# Allegro board 038RT-9068CJK8E-A100_0921.brd (continued)
## Routing (per net, layer and track width the routed paths; a pad name or vN(x,y) marks a point on that pad's centre or on a via; arc(x,y) is an arc through that point) (continued)
  BOTTOM w0.14: UNK1K213.11 443.42,194.17 438.19,194.17 v1(438.06,194.04)
S1_P7_HSO-: length 42.2
  TOP w0.14: v1(438.06,194.7) arc(437.91,194.6) 437.73,194.56 437.18,194.56 arc(436.69,194.66) 436.28,194.93 435.45,195.76 434.67,196.55 arc(434.39,196.73) 434.06,196.8 433.07,196.8 arc(432.95,196.82) 432.85,196.89 432.83,196.91 arc(432.74,196.97) 432.62,196.99 432.51,196.99 arc(432.39,196.97) 432.29,196.91 432.27,196.89 arc(432.18,196.82) 432.06,196.8 431.95,196.8 arc(431.83,196.82) 431.73,196.89 431.71,196.91 arc(431.64,196.95) 431.56,196.97 431.33,196.97 arc(431.24,196.95) 431.17,196.91 431.15,196.89 arc(431.06,196.82) 430.94,196.8 430.83,196.8 arc(430.71,196.82) 430.61,196.89 430.59,196.91 arc(430.52,196.96) 430.42,196.98 430.23,196.98 arc(430.13,196.96) 430.05,196.91 430.03,196.89 arc(429.94,196.82) 429.82,196.8 429.71,196.8 arc(429.59,196.82) 429.49,196.89 429.48,196.91 arc(429.39,196.96) 429.3,196.98 429.11,196.98 arc(429.02,196.96) 428.93,196.91 428.92,196.89 arc(428.82,196.82) 428.7,196.8 428.59,196.8 arc(428.47,196.82) 428.38,196.89 428.36,196.91 arc(428.28,196.96) 428.2,196.97 427.97,196.97 arc(427.89,196.96) 427.82,196.91 427.8,196.89 arc(427.7,196.82) 427.58,196.8 427.47,196.8 arc(427.35,196.82) 427.26,196.89 427.24,196.91 arc(427.15,196.96) 427.05,196.98 426.88,196.98 arc(426.78,196.96) 426.7,196.91 426.68,196.89 arc(426.58,196.82) 426.46,196.8 425.46,196.8 arc(425.34,196.82) 425.24,196.89 424.42,197.71 arc(424.19,197.86) 423.92,197.92 404.62,197.92 arc(404.42,197.98) 404.3,198.16 404.3,198.55 arc(404.35,198.8) SITE1.W9
  BOTTOM w0.14: v1(438.06,194.7) 438.19,194.56 443.42,194.56 UNK1K213.12
S1_P7_ISOLATEB: length 161.1
  L46_SIGNAL w0.102: v1(400.5,201.42) 400.1,201.02 400.1,198.6
  L46_SIGNAL w0.145: UNK1K220.6 435.83,56.9 435.83,65.32 404.87,96.29 404.87,187.73 403.25,189.34 403.25,193.22 400.1,196.38 400.1,198.6
S1_P7_LANWAKEB: length 160.5
  L46_SIGNAL w0.102: 397.68,202.62 400.1,202.62 v1(400.5,202.22)
  L46_SIGNAL w0.145: 397.68,202.62 397.14,202.62 394.89,200.37 394.89,195.27 396.05,194.12 396.05,93.6 380.99,78.54 380.99,63.03 376.68,58.72 376.68,57.47 UNK1K212.6
S1_P7_PCIE_RESETB: length 183.5
  L46_SIGNAL w0.102: 400.9,198.6 400.9,201.02 v1(401.3,201.42)
  L46_SIGNAL w0.145: UNK1K221.6 432.28,54.25 432.28,52.9 433.32,51.86 440.45,51.86 441.36,52.78 441.36,68.78 436.15,73.99 428.3,73.99 405.77,96.51 405.77,188.35 404.05,190.07 404.05,193.55 400.9,196.71 400.9,198.6
S1_P7_REFCLK+: length 78.1
  L07_SIGNAL w0.1: v1(402.1,199.82) 401.7,199.42 401.7,198.7 401.91,198.48 401.91,198.02 404.08,195.85 406.35,195.85 407.98,194.22 407.98,189.65 410.32,187.32 412.33,187.32 414.08,185.57 417.38,185.57 419.38,183.57 449.05,183.57 453.09,187.6 455.13,187.6 455.21,187.52 457.19,187.52 461.36,191.69 462.15,191.69 v1(462.29,191.54)
  BOTTOM w0.105: UNK1K214.6 465.63,191.67 462.43,191.67 v1(462.29,191.54)
S1_P7_REFCLK-: length 78.1
  L07_SIGNAL w0.1: v1(462.29,192.2) 462.15,192.05 461.2,192.05 459.3,190.14 459.03,190.14 458.88,190 458.88,189.72 458.73,189.58 458.46,189.58 458.31,189.43 458.31,189.16 458.17,189.01 457.89,189.01 457.75,188.86 457.75,188.59 457.6,188.44 457.33,188.44 457.18,188.3 457.18,188.02 457.04,187.89 455.37,187.89 455.28,187.97 452.94,187.97 448.9,183.93 419.53,183.93 417.53,185.93 414.23,185.93 412.48,187.68 410.47,187.68 408.35,189.81 408.35,194.37 406.5,196.21 404.23,196.21 402.28,198.17 402.28,198.47 402.5,198.69 402.5,199.42 v1(402.9,199.82)
  BOTTOM w0.105: v1(462.29,192.2) 462.35,192.14 465.63,192.14 465.66,192.11 465.68,192.11 UNK1K214.7
S1_PGATE:
  vias: v1(401.3,207.82)
S1_R_P0_RXC: length 5
  BOTTOM w0.115: UNK1RR410.2 523.67,224.7 520.49,224.7 UNK1K233.3
S1_R_P0_RXD0: length 5.1
  BOTTOM w0.115: UNK1K182.6 520.55,217.48 523.61,217.48 UNK1RR413.2
S1_R_P0_RXD1: length 5.1
  BOTTOM w0.115: UNK1K231.6 504.79,223.69 507.85,223.69 UNK1RR407.2
S1_R_P0_RXD2: length 5.1
  BOTTOM w0.115: UNK1RR411.2 523.61,223.69 520.55,223.69 UNK1K233.6
S1_R_P0_RXD3: length 5
  BOTTOM w0.115: UNK1K232.3 520.49,230.9 523.67,230.9 UNK1RR408.2
S1_R_P0_RXDV: length 5.1
  BOTTOM w0.115: UNK1K232.6 520.55,229.9 523.61,229.9 UNK1RR409.2
S1_R_P0_RXER: length 5.1
  BOTTOM w0.115: UNK1K183.6 504.79,217.48 507.85,217.48 UNK1RR406.2
S1_R_P0_TXC: length 5.1
  BOTTOM w0.115: UNK1K181.6 504.79,229.9 507.85,229.9 UNK1RR404.2
S1_R_P0_TXD0: length 5.1
  BOTTOM w0.115: UNK1RR400.2 492.09,229.9 489.03,229.9 UNK1K180.6
S1_R_P0_TXD1: length 5
  BOTTOM w0.115: UNK1RR401.2 507.91,230.9 504.73,230.9 UNK1K181.3
S1_R_P0_TXD2: length 5
  BOTTOM w0.115: UNK1K182.3 520.49,218.49 523.67,218.49 UNK1RR402.2
S1_R_P0_TXD3: length 5
  BOTTOM w0.115: UNK1K183.3 504.73,218.49 507.91,218.49 UNK1RR403.2
S1_R_P0_TXEN: length 5
  BOTTOM w0.115: UNK1RR405.2 492.15,230.9 488.97,230.9 UNK1K180.3
S1_RESETB: length 55.2
  L07_SIGNAL w0.105: v1(345.31,203) 349.02,199.28 395.96,199.28 v1(398.1,201.42)
S1_RTT: length 31
  L03_SIGNAL w0.102: 406.5,213.06 406.5,211.42 v1(406.1,211.02)
  L03_SIGNAL w0.145: 406.5,213.06 407.41,213.98 425.12,213.98 427.36,216.21 432.01,216.21 v2(432.66,216.86)
  BOTTOM w0.115: UNK1R434.1 v2(432.66,216.86)
S1_SEL1_K145: length 9.1
  BOTTOM w0.203: UNK1RU12.1 667.38,225.05 667.38,228.83 667.22,228.99 UNK1RU11.2 UNK1RL15.1 665.36,228.99 664.2,227.83 UNK1K145.8
S1_SEL2_K145: length 3.2
  BOTTOM w0.203: UNK1RU12.2 666.66,223.33 UNK1K145.17
S1_SEL2_K217: length 3.2
  BOTTOM w0.115: UNK1K217.17 551.03,211.82 550.08,212.76 UNK1RL38.1
S1_SPI_CSB: length 25.7
  L03_SIGNAL w0.102: 412.92,205.02 410.5,205.02 v1(410.1,205.42)
  L03_SIGNAL w0.145: v1(435.24,203.99) 434.2,205.02 412.92,205.02
S1_SPI_SCK: length 26.9
  L03_SIGNAL w0.102: 412.92,202.62 410.5,202.62 v1(410.1,203.02)
  L03_SIGNAL w0.145: 412.92,202.62 413.01,202.71 414.78,202.71 417.1,200.39 433.75,200.39 v1(435.24,198.91)
S1_SPI_SI: length 20.2
  L03_SIGNAL w0.102: 412.92,201.82 410.5,201.82 v1(410.1,202.22)
  L03_SIGNAL w0.145: 412.92,201.82 412.99,201.75 414.62,201.75 416.58,199.78 426.07,199.78 426.39,199.46 428.33,199.46 v1(428.89,198.91)
S1_SPI_SO: length 19.1
  L03_SIGNAL w0.102: v1(410.1,204.62) 410.5,204.22 412.92,204.22
  L03_SIGNAL w0.145: 412.92,204.22 428.65,204.22 v1(428.89,203.99)
S1_SPI_VDDIO:
  vias: v1(394.65,187.71) v1(394.65,187.07) v1(409.3,202.22)
S1_SW_CTRL: length 567.5
  L21_SIGNAL w0.105: v2(664.42,119.56) 664.42,214.14 654.22,224.34 654.22,230.25 651.78,232.69 625,232.69 619.1,238.6 561.67,238.6 556.68,243.59 519.06,243.59 515.09,247.56 515.09,277.29 512.74,279.63 460.82,279.63 455.62,284.82 455.62,308.17 440.18,323.61 440.18,354.62 441.04,355.49 441.44,355.49 442.49,356.53 442.49,357.26 442.9,357.67 443.6,357.67 444.11,358.18 444.11,359.63 SLOT3-UP.C18
  L44_SIGNAL w0.105: v2(664.42,119.56) 663.76,118.9 662.75,118.9 662.06,118.21 662.06,113.39 661.63,112.95 659.52,112.95 659.18,112.61 v2(659.18,112.06) v2(659.18,100.51) 659.72,99.96 659.72,95.4 659.18,94.86 v2(659.18,93.01) 657.79,91.62 657.79,62.41 661.47,58.73 v2(661.47,45.27) v2(661.47,37.53) 663.28,35.73 663.28,17.4 662.16,16.28 S1_SW_CTRL.2
  BOTTOM w0.115: UNK1U6.25 v2(661.47,37.53) ; v2(659.18,93.01) 659.73,92.46 660.57,92.46 660.63,92.51 UNK1U18.10 ; UNK1U17.10 660.63,111.56 660.57,111.51 659.73,111.51 v2(659.18,112.06) ; UNK1U18.25 661.02,100.01 660.53,100.51 v2(659.18,100.51) ; v2(664.42,119.56) 663.87,119.01 663.02,119.01 662.97,119.06 UNK1U17.25 ; v2(661.47,45.27) 660.2,45.27 659.97,45.03 UNK1U6.10
S1_SWR1_EN: length 3.8
  TOP w0.305: UNK1CS5.1 UNK1R548.2 575.27,40.81 576.15,40.81 576.46,40.5 UNK1SWR1.7
S1_SWR1_FB: length 8.5
  TOP w0.305: UNK1RB8.1 UNK1RB7.2 UNK1CS2.2 ; UNK1RB8.1 574.67,37.03 573.91,36.26 SG1_SWR1_FB.1 ; UNK1RB8.1 575.32,37.6 UNK1SWR1.1
S1_SWR1_LX: length 1.7
  TOP w0.254: UNK1SWR1.6 576.96,41.78 UNK1LX1.1
S1_SWR1_PG: length 2.1
  TOP w0.305: UNK1SWR1.2 576.46,37.85 575.89,37.28 UNK1RS6.2
S1_SWR1_VIN: length 4.2
  TOP w0.305: UNK1RS9.2 578.17,35.06 576.96,36.26 UNK1SWR1.3
S1_TAPSL0: length 318.3
  L17_SIGNAL w0.102: v1(398.9,203.02) 398.5,203.42 397.68,203.42
  L17_SIGNAL w0.105: v2(565.51,53.13) 564.2,51.82 551.8,51.82 549.89,53.72 549.89,60.32 531.13,79.09 407.09,79.09 396.17,90.01 396.17,164.54 382.1,178.6 382.1,190.69 387.2,195.78 389.73,195.78 397.36,203.42 397.68,203.42
S1_TAPSL0_HIGH: length 2.7
  BOTTOM w0.115: UNK1R342.1 S1_TAPSL0.1
S1_TAPSL0_LOW: length 2.7
  BOTTOM w0.115: UNK1R343.1 S1_TAPSL0.3
S1_TAPSL1: length 303.3
  L17_SIGNAL w0.102: v1(398.9,202.22) 398.5,202.62 397.68,202.62
  L17_SIGNAL w0.105: 397.68,202.62 397.43,202.62 389.96,195.15 387.49,195.15 383.8,191.46 383.8,177.8 397.1,164.5 397.1,90.58 407.84,79.84 534.19,79.84 555.35,58.68 v2(555.35,53.13)
S1_TAPSL1_HIGH: length 2.7
  BOTTOM w0.115: UNK1R344.1 S1_TAPSL1.1
S1_TAPSL1_LOW: length 2.7
  BOTTOM w0.115: UNK1R345.1 S1_TAPSL1.3
S1_TCT: length 9.9
  TOP w0.115: UNK1C171.1 v2(636.62,139.15) ; UNK1T12.15 v2(633.45,139.15) ; UNK1T12.10 v2(639.8,139.15)
  L03_SIGNAL w0.145: v2(639.8,139.15) v2(636.62,139.15) v2(633.45,139.15)
S1_TDO: length 22.9
  L03_SIGNAL w0.102: v1(410.1,207.82) 410.5,207.42 412.92,207.42
  L03_SIGNAL w0.145: v1(432.06,209.07) 431.49,208.5 415.03,208.5 413.88,207.35 412.99,207.35 412.92,207.42
S1_U1_FE_MDI+: length 9.5
  TOP w0.105: 639.56,140.04 639.56,142.62 639.91,142.96 639.91,145.13 639.52,145.52 UNK1K56.4
  TOP w0.115: UNK1T12.11 638.53,139 639.56,140.04
S1_U1_FE_MDI-: length 9.5
  TOP w0.105: UNK1K56.5 640.76,145.52 640.38,145.13 640.38,142.77 640.03,142.42 640.03,140.04
  TOP w0.115: UNK1T12.9 641.07,139 640.03,140.04
S1_U1_FE_MDIX+: length 9.5
  TOP w0.105: UNK1K52.4 632.48,145.52 632.87,145.13 632.87,142.77 633.21,142.42 633.21,140.04
  TOP w0.115: UNK1T12.16 632.18,139 633.21,140.04
S1_U1_FE_MDIX-: length 9.5
  TOP w0.105: UNK1K52.5 633.72,145.52 633.33,145.13 633.33,142.96 633.68,142.62 633.68,140.04
  TOP w0.115: UNK1T12.14 634.72,139 633.68,140.04
S1_U1_P0_MDI+: length 13.3
  BOTTOM w0.105: UNK1T7.3 370.65,206.35 371.39,206.35 372,205.73 372,205.36 372.53,204.83 381.11,204.83 381.21,204.93 UNK1K60.4
S1_U1_P0_MDI-: length 13.3
  BOTTOM w0.105: UNK1T7.4 370.65,205.88 371.19,205.88 371.54,205.54 371.54,205.17 372.34,204.36 381.11,204.36 381.21,204.26 UNK1K60.5
S1_U1_P1_MDI+: length 14
  BOTTOM w0.105: UNK1K64.4 347.8,204.26 347.9,204.36 356.51,204.36 356.73,204.15 356.73,202.92 357.32,202.33 358.37,202.33 UNK1T8.3
S1_U1_P1_MDI-: length 14
  BOTTOM w0.105: UNK1K64.5 347.8,204.93 347.9,204.83 356.7,204.83 357.19,204.34 357.19,203.11 357.51,202.8 358.36,202.8 UNK1T8.4
S1_U1_P2_GIGA_MDI+: length 2.6
  BOTTOM w0.105: 407.43,222.05 407.43,223.39
  BOTTOM w0.115: 407.43,223.39 UNK1C385.1 ; UNK1T18.2 407.43,222.05
S1_U1_P2_GIGA_MDI-: length 2.6
  BOTTOM w0.105: 406.96,222.05 406.96,223.39
  BOTTOM w0.115: UNK1T18.1 406.96,222.05 ; 406.96,223.39 UNK1C384.1
S1_U1_P3_GIGA_MDI+: length 2.6
  BOTTOM w0.105: 414.03,222.05 414.03,223.39
  BOTTOM w0.115: 414.03,223.39 UNK1C413.1 ; UNK1T23.2 414.03,222.05
S1_U1_P3_GIGA_MDI-: length 2.6
  BOTTOM w0.105: 413.57,222.05 413.57,223.39
  BOTTOM w0.115: UNK1T23.1 413.57,222.05 ; 413.57,223.39 UNK1C412.1
S1_U1_P5_MDI+: length 13.8
  BOTTOM w0.105: UNK1K130.4 381.21,212.05 381.11,211.94 372.53,211.94 372,212.47 372,213.35 371.39,213.97 370.65,213.97 UNK1T17.3
S1_U1_P5_MDI-: length 13.8
  BOTTOM w0.105: UNK1T17.4 370.65,213.5 371.19,213.5 371.54,213.16 371.54,212.28 372.34,211.48 381.11,211.48 381.21,211.37 UNK1K130.5
S1_U1_P6_MDI+: length 13.5
  BOTTOM w0.105: UNK1K140.4 347.8,211.37 347.9,211.48 356.48,211.48 356.81,211.15 356.81,210.4 357.25,209.95 358.37,209.95 UNK1T15.3
S1_U1_P6_MDI-: length 13.5
  BOTTOM w0.105: UNK1K140.5 347.8,212.05 347.9,211.94 356.67,211.94 357.27,211.34 357.27,210.59 357.44,210.42 358.36,210.42 UNK1T15.4
S1_U2_FE_MDI+: length 113.3
  TOP w0.105: 639.56,126.04 639.56,126.83
  TOP w0.115: UNK1T12.6 638.53,127.86 639.56,126.83 ; v1(639.47,125.94) 639.56,126.04
  L40_SIGNAL w0.1: v1(639.47,125.94) 639.61,125.79 639.61,125.01 640.35,124.28 654.31,124.28 656.36,122.24 656.36,86.33 658.09,84.6 658.09,62.01 663.3,56.8 663.3,45.07 662.19,43.96 659.23,43.96 659.13,44.06 659.13,44.28 659.02,44.39 658.83,44.39 658.73,44.29 658.73,44.06 658.63,43.96 656.65,43.96 656.45,44.16 v1(656.41,44.16)
  BOTTOM w0.105: v1(656.41,44.16) 656.56,44.02 659.01,44.02 UNK1U6.12
S1_U2_FE_MDI-: length 113.3
  TOP w0.105: 640.03,126.04 640.03,126.83
  TOP w0.115: v1(640.13,125.94) 640.03,126.04 ; UNK1T12.8 641.07,127.86 640.03,126.83
  L40_SIGNAL w0.1: v1(656.41,43.4) 656.61,43.6 662.34,43.6 663.66,44.92 663.66,56.95 658.45,62.16 658.45,84.75 656.72,86.48 656.72,122.39 654.46,124.65 640.5,124.65 639.98,125.17 639.98,125.79 v1(640.13,125.94)
  BOTTOM w0.105: v1(656.41,43.4) 656.56,43.55 659.01,43.55 UNK1U6.13
S1_U2_FE_MDIX+: length 100.2
  TOP w0.105: 633.21,126.04 633.21,126.83
  TOP w0.115: v1(633.12,125.94) 633.21,126.04 ; 633.21,126.83 632.18,127.86 UNK1T12.1
  L40_SIGNAL w0.1: v1(656.41,47.16) 656.51,47.16 656.61,47.26 656.61,48.5 656.51,48.6 656.38,48.6 656.28,48.7 656.28,48.9 656.38,49 656.51,49 656.61,49.1 656.61,49.3 656.51,49.4 656.38,49.4 656.28,49.5 656.28,49.7 656.38,49.8 656.51,49.8 656.61,49.9 656.61,56.73 652.55,60.8 652.55,113.09 642.69,122.94 635.34,122.94 633.26,125.01 633.26,125.79 v1(633.12,125.94)
  BOTTOM w0.105: UNK1U6.6 659.01,47.02 656.56,47.02 v1(656.41,47.16)
S1_U2_FE_MDIX-: length 100.2
  TOP w0.105: 633.68,126.04 633.68,126.83
  TOP w0.115: 633.68,126.83 634.72,127.86 UNK1T12.3 ; v1(633.78,125.94) 633.68,126.04
  L40_SIGNAL w0.1: v1(656.41,46.4) 656.98,46.97 656.98,56.88 652.91,60.95 652.91,113.24 642.84,123.3 635.49,123.3 633.63,125.17 633.63,125.79 v1(633.78,125.94)
  BOTTOM w0.105: UNK1U6.7 659.01,46.55 656.56,46.55 v1(656.41,46.4)
S1_U2_P0_MDI+: length 2.7
  BOTTOM w0.105: UNK1C195.1 364.44,206.35 365.92,206.35 UNK1T7.2
S1_U2_P0_MDI-: length 2.7
  BOTTOM w0.105: UNK1T7.1 365.91,205.89 364.44,205.89 UNK1C196.1
S1_U2_P1_MDI+: length 2.7
  BOTTOM w0.105: UNK1T8.2 363.09,202.33 364.57,202.33 UNK1C198.1
S1_U2_P1_MDI-: length 2.7
  BOTTOM w0.105: UNK1T8.1 363.1,202.8 364.57,202.8 UNK1C199.1
S1_U2_P2_GIGA_MDI+: length 257.8
  L46_SIGNAL w0.136: v3(641.7,223.1) 641.6,223.21 640.72,223.21 639.84,224.09 639.84,228.56 638.06,230.34 557.34,230.34 556.71,229.71 529.09,229.71 527.14,231.66 527.14,233.94 523.48,237.6 475.6,237.6 470.52,232.52 413.99,232.52 413.83,232.36 413.83,232.12 413.67,231.96 413.44,231.96 413.28,232.12 413.28,232.36 413.12,232.52 412.06,232.52 410.68,231.14 410.68,229.32 409.23,227.87 407.6,227.87 407.42,227.69 407.42,227.22 407.56,227.08 v3(408.21,227.08)
  BOTTOM w0.105: UNK1K144.11 644.91,222 643.39,222 642.19,223.2 641.8,223.2 v3(641.7,223.1) ; 407.43,226.03 407.43,226.3
  BOTTOM w0.115: UNK1C385.2 407.43,226.03 ; 407.43,226.3 v3(408.21,227.08)
S1_U2_P2_GIGA_MDI-: length 257.8
  L46_SIGNAL w0.136: v3(406.18,227.08) 406.83,227.08 406.97,227.22 406.97,227.88 407.41,228.32 409.04,228.32 410.22,229.5 410.22,231.33 411.87,232.98 470.33,232.98 475.41,238.05 523.66,238.05 527.59,234.13 527.59,231.85 529.27,230.16 556.53,230.16 557.16,230.79 638.24,230.79 640.29,228.74 640.29,224.28 640.91,223.66 641.6,223.66 v3(641.7,223.76)
  BOTTOM w0.105: v3(641.7,223.76) 641.8,223.67 642.38,223.67 643.59,222.46 644.91,222.46 UNK1K144.12 ; 406.96,226.03 406.96,226.3
  BOTTOM w0.115: 406.96,226.3 v3(406.18,227.08) ; UNK1C384.2 406.96,226.03
S1_U2_P2_RC: length 4.8
  BOTTOM w0.115: UNK1R454.2 408.21,230.24 UNK1R456.1 UNK1C391.1 406.18,230.24 UNK1R455.2
S1_U2_P3_GIGA_MDI+: length 258.1
  L46_SIGNAL w0.136: v3(414.82,227.08) 414.16,227.08 414.02,227.22 414.02,227.65 414.18,227.81 417.93,227.81 419.37,229.25 473.12,229.25 478.58,234.71 521.38,234.71 523.93,232.17 523.93,229.13 525.46,227.59 543.22,227.59 546.2,224.61 562.5,224.61 564.37,226.48 570.58,226.48 571.76,227.67 625.26,227.67 625.78,227.15 625.78,216.09 627.05,214.82 637.33,214.82 639.67,217.17 640.12,217.17 640.28,217.01 640.28,216.76 640.44,216.6 640.66,216.6 640.82,216.76 640.82,217.01 640.98,217.17 642.13,217.17 v3(642.24,217.06)
  BOTTOM w0.105: v3(642.24,217.06) 642.33,217.16 643.85,217.16 644.19,217.5 644.91,217.5 UNK1K144.2 ; 414.03,226.03 414.03,226.3
  BOTTOM w0.115: 414.03,226.3 v3(414.82,227.08) ; UNK1C413.2 414.03,226.03
S1_U2_P3_GIGA_MDI-: length 258.1
  L46_SIGNAL w0.136: v3(412.78,227.08) 413.44,227.08 413.57,227.22 413.57,227.84 413.99,228.26 417.74,228.26 419.18,229.7 472.93,229.7 478.39,235.16 521.57,235.16 524.38,232.36 524.38,229.32 525.65,228.04 543.4,228.04 546.39,225.06 562.31,225.06 564.18,226.93 570.39,226.93 571.57,228.12 625.45,228.12 626.23,227.33 626.23,216.27 627.24,215.27 637.14,215.27 639.49,217.62 642.13,217.62 v3(642.24,217.72)
  BOTTOM w0.105: v3(642.24,217.72) 642.33,217.62 643.66,217.62 643.99,217.96 644.91,217.96 UNK1K144.3 ; 413.57,226.03 413.57,226.3
  BOTTOM w0.115: 413.57,226.3 v3(412.78,227.08) ; UNK1C412.2 413.57,226.03
S1_U2_P3_RC: length 4.8
  BOTTOM w0.115: UNK1R498.2 414.82,230.24 UNK1R500.1 UNK1C418.1 412.78,230.24 UNK1R499.2
S1_U2_P5_MDI+: length 2.7
  BOTTOM w0.105: UNK1C383.1 364.44,213.97 365.92,213.97 UNK1T17.2
S1_U2_P5_MDI-: length 2.7
  BOTTOM w0.105: UNK1T17.1 365.91,213.51 364.44,213.51 UNK1C381.1
S1_U2_P6_MDI+: length 2.7
  BOTTOM w0.105: UNK1T15.2 363.09,209.95 364.57,209.95 UNK1C376.1
S1_U2_P6_MDI-: length 2.7
  BOTTOM w0.105: UNK1C377.1 364.57,210.42 363.1,210.42 UNK1T15.1
S1_U3_FE_MDI+: length 39.2
  BOTTOM w0.105: UNK1U6.55 651.34,45.02 654.55,45.02 654.92,45.39 654.92,52.68 656.02,53.77 662.58,53.77 664.36,51.99 667.31,51.99 667.85,52.53 667.85,55.54 669.94,57.64 674.71,57.64
  BOTTOM w0.115: 674.71,57.64 676.48,59.4 UNK1CON1.3
S1_U3_FE_MDI-: length 39.2
  BOTTOM w0.105: 675.22,57.17 670.14,57.17 668.31,55.35 668.31,52.34 667.5,51.53 664.17,51.53 662.39,53.31 656.21,53.31 655.39,52.48 655.39,45.19 654.74,44.55 651.34,44.55 UNK1U6.54
  BOTTOM w0.115: 675.22,57.17 675.47,56.93 675.47,56.36 675.24,56.13 UNK1CON1.6
S1_U3_FE_MDIX+: length 36.9
  BOTTOM w0.105: UNK1U6.61 651.3,48.02 649.96,48.02 649.29,48.68 649.29,50.68 655.54,56.92 665.17,56.92 667.96,59.71 674.63,59.71 675.38,60.46 675.38,61.38
  BOTTOM w0.115: 675.38,61.38 UNK1CON1.1
S1_U3_FE_MDIX-: length 36.9
  BOTTOM w0.105: 674.91,61.11 674.91,60.65 674.44,60.18 667.77,60.18 664.98,57.39 655.34,57.39 648.83,50.87 648.83,48.49 649.77,47.55 651.3,47.55 UNK1U6.60
  BOTTOM w0.115: UNK1CON1.2 674,61.27 674.75,61.27 674.91,61.11
S1_U3_P0_MDI+: length 373.8
  L09_SIGNAL w0.1: v2(664.42,116.93) 664.22,117.13 662.42,117.13 661.41,118.14 661.41,122.83 661.16,123.08 624.22,123.08 622.24,125.05 563.94,125.05 545.05,143.94 514.1,143.94 489.06,168.98 387.3,168.98 371.51,184.77 371.51,187.33 372.63,188.45 377.75,188.45 379.01,189.71 379.01,192.99 377.57,194.43 372.76,194.43 371.92,195.28 371.92,203.55 371.31,204.16 360.76,204.16 360.04,204.88 360.04,205.97 360.38,206.3 360.96,206.3 361.06,206.4 v1(361.06,206.82)
  BOTTOM w0.105: UNK1C195.2 361.8,206.35 361.53,206.35 v1(361.06,206.82) ; UNK1U17.21 661.82,117.08 664.27,117.08 v2(664.42,116.93)
S1_U3_P0_MDI-: length 373.8
  L09_SIGNAL w0.1: v1(361.06,205.42) 361.06,205.84 360.96,205.94 360.53,205.94 360.4,205.81 360.4,205.03 360.91,204.53 371.46,204.53 372.28,203.7 372.28,195.43 372.92,194.8 377.72,194.8 379.37,193.14 379.37,189.56 377.9,188.09 372.78,188.09 371.88,187.18 371.88,184.92 387.45,169.34 489.21,169.34 514.25,144.3 545.2,144.3 564.09,125.42 622.4,125.42 624.37,123.44 661.31,123.44 661.78,122.98 661.78,120.56 661.89,120.44 662.1,120.44 662.21,120.32 662.21,120.16 662.1,120.04 661.89,120.04 661.78,119.92 661.78,119.76 661.89,119.64 662.1,119.64 662.21,119.52 662.21,119.36 662.1,119.24 661.89,119.24 661.78,119.12 661.78,118.29 662.58,117.49 664.22,117.49 v2(664.42,117.69)
  BOTTOM w0.105: v2(664.42,117.69) 664.27,117.54 661.82,117.54 UNK1U17.22 ; UNK1C196.2 361.8,205.89 361.53,205.89 v1(361.06,205.42)
S1_U3_P0_RC: length 3.7
  BOTTOM w0.115: UNK1R150.2 UNK1R2.1 UNK1C194.1 UNK1R149.2
S1_U3_P1_MDI+: length 340.3
  L09_SIGNAL w0.1: v2(659.18,119.93) 658.98,120.13 623.89,120.13 622.28,121.73 561.24,121.73 540.8,142.17 513.37,142.17 488.33,167.21 386.28,167.21 368.52,184.98 368.52,202.28 368.42,202.38 368.05,202.38 367.95,202.28 v1(367.95,201.86)
  BOTTOM w0.105: v2(659.18,119.93) 659.33,120.08 661.78,120.08 UNK1U17.27 ; UNK1C198.2 367.21,202.33 367.48,202.33 v1(367.95,201.86)
S1_U3_P1_MDI-: length 340.3
  L09_SIGNAL w0.1: v1(367.95,203.27) 367.95,202.85 368.05,202.75 368.57,202.75 368.88,202.43 368.88,185.13 386.43,167.58 488.48,167.58 513.52,142.53 540.95,142.53 561.39,122.09 622.43,122.09 624.04,120.49 658.98,120.49 v2(659.18,120.69)
  BOTTOM w0.105: UNK1U17.28 661.78,120.54 659.33,120.54 v2(659.18,120.69) ; v1(367.95,203.27) 367.48,202.8 367.21,202.8 UNK1C199.2
S1_U3_P1_RC: length 3.7
  BOTTOM w0.115: UNK1R155.2 UNK1C197.1 UNK1R3.1 UNK1R156.2
S1_U3_P2_GIGA_MDI+: length 25.7
  BOTTOM w0.105: UNK1K144.29 648.93,221.5 652.08,221.5 652.32,221.74 654.75,221.74 655.22,222.21 655.22,225.66 655.33,225.76 655.92,225.76 656.12,225.57 656.12,219.49 656.49,219.12 657.87,219.12 658.3,219.55 658.3,224.24 658.41,224.35 659.52,224.35 UNK1K145.24
S1_U3_P2_GIGA_MDI-: length 25.7
  BOTTOM w0.105: UNK1K144.28 648.93,221.96 651.88,221.96 652.12,222.2 654.56,222.2 654.76,222.4 654.76,225.85 655.14,226.23 656.11,226.23 656.58,225.76 656.58,219.69 656.69,219.58 657.67,219.58 657.84,219.75 657.84,224.44 658.22,224.81 659.52,224.81 UNK1K145.25
S1_U3_P3_GIGA_MDI+: length 27.6
  L46_SIGNAL w0.136: v3(649.85,215.81) 649.95,215.71 649.95,214.62 650.58,214 656.77,214 658.75,215.97 658.75,222.68 656.38,225.05 656.38,225.82 656.91,226.35 657.48,226.35 v3(657.58,226.25)
  BOTTOM w0.105: UNK1K144.38 648.93,217 649.84,217 649.95,216.89 649.95,215.91 v3(649.85,215.81) ; UNK1K145.28 659.52,226.35 657.68,226.35 v3(657.58,226.25)
S1_U3_P3_GIGA_MDI-: length 27.6
  L46_SIGNAL w0.136: v3(650.51,215.81) 650.41,215.71 650.41,214.81 650.76,214.45 656.59,214.45 658.3,216.16 658.3,222.49 655.93,224.86 655.93,226.01 656.73,226.81 657.48,226.81 v3(657.58,226.91)
  BOTTOM w0.105: v3(657.58,226.91) 657.68,226.81 659.52,226.81 UNK1K145.29 ; v3(650.51,215.81) 650.41,215.91 650.41,217.09 650.04,217.46 648.93,217.46 UNK1K144.37
S1_U3_P5_MDI+: length 382.4
  L09_SIGNAL w0.1: v1(361.06,214.44) 361.06,214.02 360.96,213.92 359.31,213.92 358.62,213.23 358.62,200.71 352.68,194.77 352.68,169.79 356.97,165.49 487.61,165.49 512.66,140.45 538.23,140.45 558.67,120.01 620.4,120.01 622.25,118.16 649.4,118.16 651.94,115.63 658.98,115.63 v2(659.18,115.43)
  BOTTOM w0.105: v1(361.06,214.44) 361.53,213.97 361.8,213.97 UNK1C383.2 ; v2(659.18,115.43) 659.33,115.58 661.78,115.58 UNK1U17.18
S1_U3_P5_MDI-: length 382.4
  L09_SIGNAL w0.1: v2(659.18,116.19) 658.98,115.99 656.24,115.99 656.13,116.11 656.13,116.31 656.01,116.43 655.84,116.43 655.73,116.31 655.73,116.11 655.61,115.99 655.44,115.99 655.33,116.11 655.33,116.31 655.21,116.43 655.04,116.43 654.93,116.31 654.93,116.11 654.81,115.99 652.09,115.99 649.55,118.53 622.4,118.53 620.55,120.37 558.82,120.37 538.38,140.81 512.81,140.81 487.76,165.85 357.12,165.85 353.04,169.94 353.04,194.62 358.98,200.56 358.98,213.08 359.46,213.56 360.96,213.56 361.06,213.46 v1(361.06,213.04)
  BOTTOM w0.105: v1(361.06,213.04) 361.53,213.51 361.8,213.51 UNK1C381.2 ; v2(659.18,116.19) 659.33,116.04 661.78,116.04 UNK1U17.19
S1_U3_P5_RC: length 3.7
  BOTTOM w0.115: UNK1R439.2 UNK1R5.1 UNK1C379.1 UNK1R440.2
S1_U3_P6_MDI+: length 365.7
  L09_SIGNAL w0.1: v1(367.95,209.48) 367.95,209.9 367.85,210 367.4,210 367.2,209.8 367.2,208.84 367.62,208.43 373.79,208.43 375.36,206.85 375.36,201.06 382.17,194.25 382.17,177.83 388.73,171.28 490.01,171.28 515.05,146.23 550.54,146.23 566.6,130.18 623.17,130.18 628.64,124.7 663.98,124.7 665.77,122.92 665.77,116.55 664.68,115.46 664.68,114.5 665.49,113.69 665.49,113 665.12,112.63 664.62,112.63 v2(664.42,112.43)
  BOTTOM w0.105: v1(367.95,209.48) 367.48,209.95 367.21,209.95 UNK1C376.2 ; UNK1U17.12 661.82,112.58 664.27,112.58 v2(664.42,112.43)
S1_U3_P6_MDI-: length 365.7
  L09_SIGNAL w0.1: v2(664.42,113.19) 664.62,112.99 664.97,112.99 665.13,113.15 665.13,113.54 664.32,114.35 664.32,115.61 665.41,116.7 665.41,122.77 663.83,124.34 628.49,124.34 623.02,129.81 566.45,129.81 550.39,145.87 514.9,145.87 489.86,170.91 388.58,170.91 381.81,177.68 381.81,194.1 375,200.91 375,206.7 373.64,208.06 367.47,208.06 366.84,208.69 366.84,209.95 367.25,210.37 367.85,210.37 367.95,210.47 v1(367.95,210.89)
  BOTTOM w0.105: UNK1U17.13 661.82,113.04 664.27,113.04 v2(664.42,113.19) ; v1(367.95,210.89) 367.48,210.42 367.21,210.42 UNK1C377.2
S1_U3_P6_RC: length 3.7
  BOTTOM w0.115: UNK1R438.2 UNK1R10.1 UNK1C375.1 UNK1R441.2
S1_U4_GIGA_MDI+: length 14.7
  TOP w0.105: UNK1GPHY3.1 671.64,218.84 669.4,218.84 667.84,220.4 667.84,224.95 666.95,225.85 665.25,225.85 v1(665.15,225.75)
  BOTTOM w0.105: v1(665.15,225.75) 665.05,225.85 663.54,225.85 UNK1K145.12
